# Altium PCB FMC_SINGLE_LPC_BREAKOUT_REVB.PcbDoc (part 2 of 2)
Units mm, origin at the board's own origin, x right, y up, seen from the top; angles counter-clockwise.
Board outline 78.8 x 69 mm, 2 copper layers (Component Side, Bottom Layer), stack 1.571 mm thick; 17 components, 160 nets, 820 pads, 483 vias.
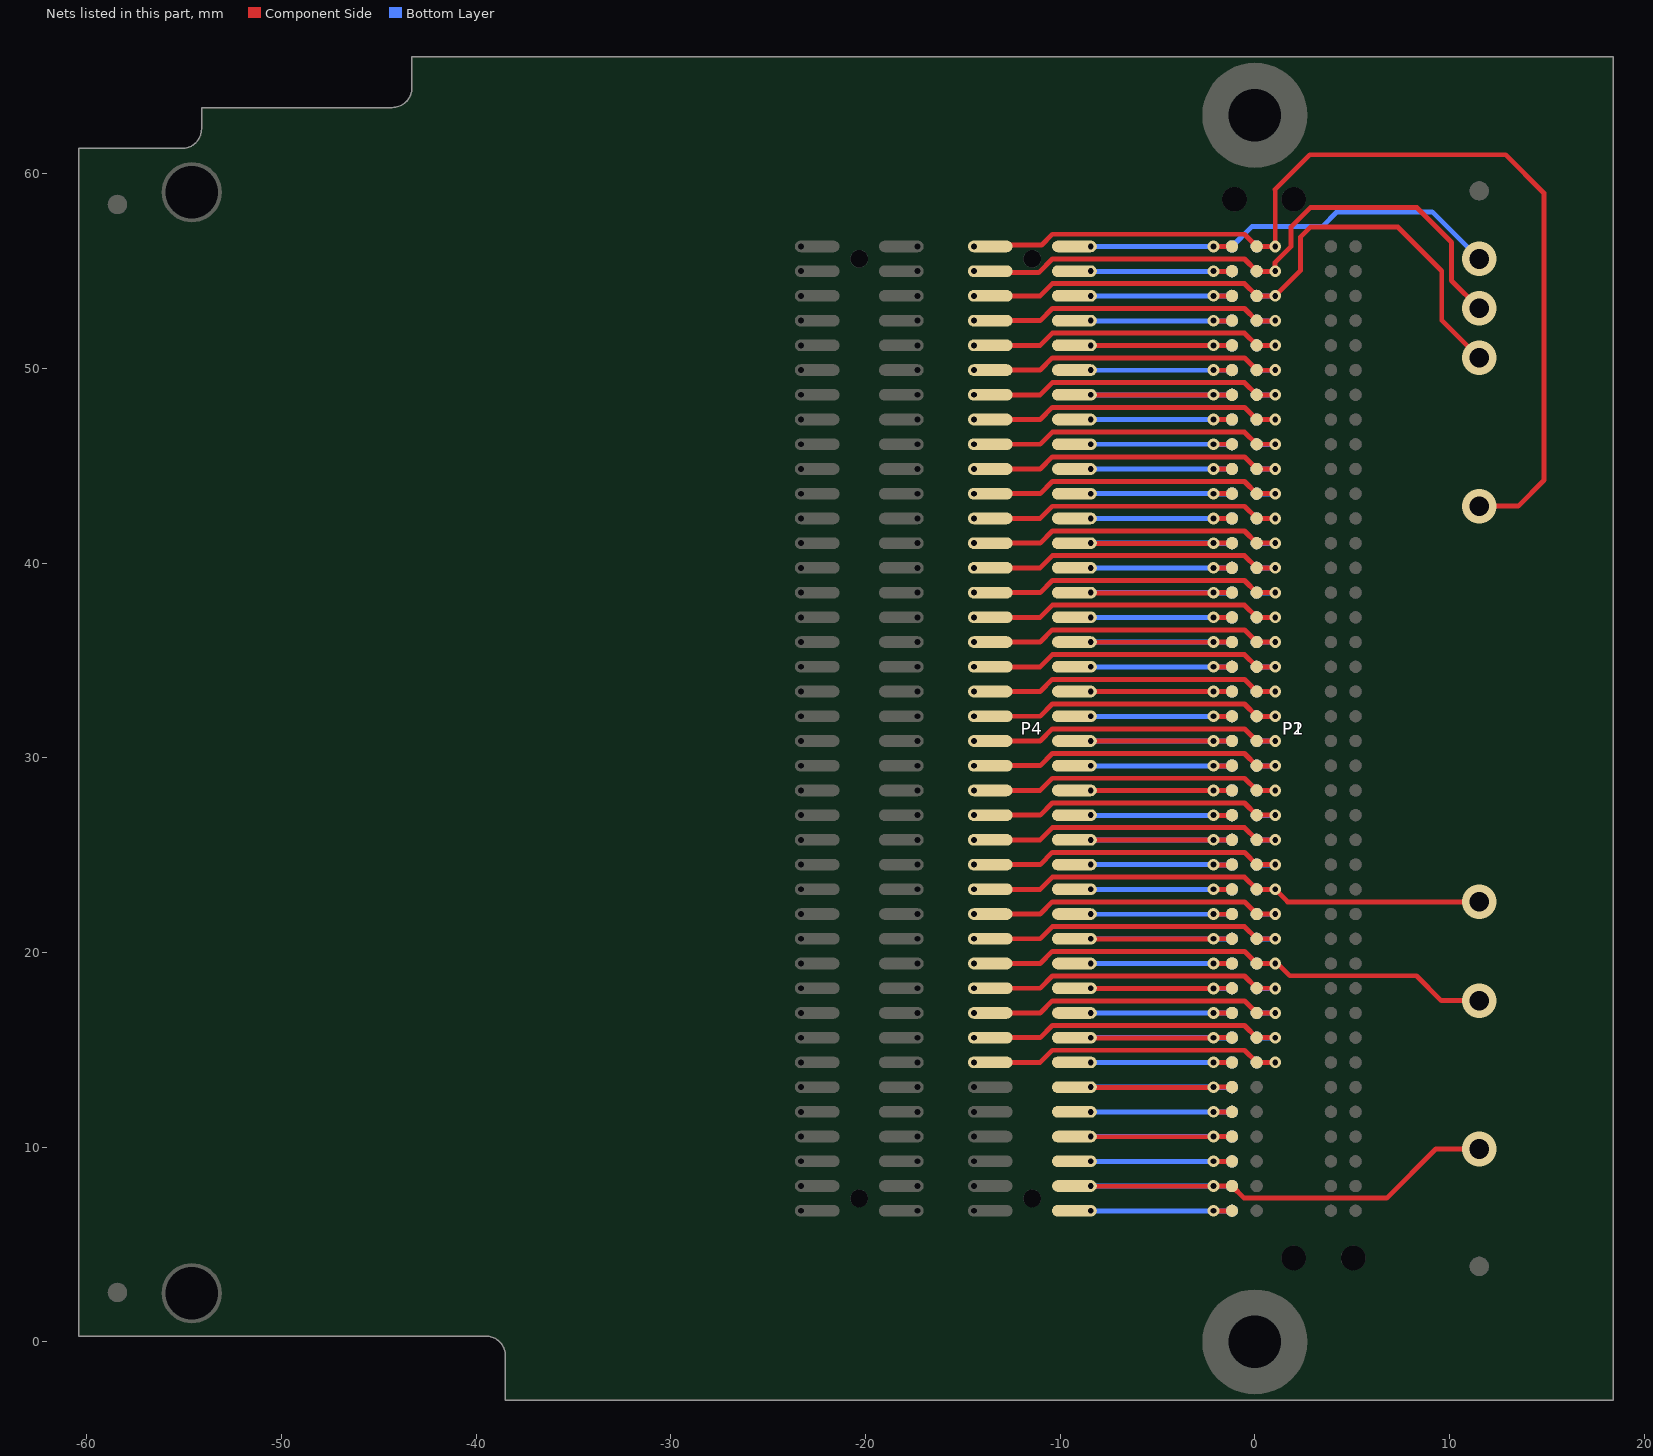
[diagram p2: the nets of this part, all layers, seen from the top]

## Via types
v1: diameter 1.778, hole 1.016, Component Side to Bottom Layer, 323 vias
v2: diameter 0.6, hole 0.3, Component Side to Bottom Layer, tented both sides, 160 vias

## Nets (pads, with @x,y where several pads share a name; then routed paths per layer and width w, separated by ;. In a path a pad name is that pad's centre, name@x,y a point inside that pad or via, vN(x,y) a via of type N, cw(c..) or ccw(c..) an arc to the next point about the centre after c; other vN are vias at no path point) (continued)
G7: P1.G7 P2.G7 P4.13 | length 16.8
  Component Side w0.254: P4.13@-14.43,14.355 -11.03,14.355 -10.405,14.98 -0.53,14.98 P1.G7@0.095,14.355 ; P1.G7@0.105,14.345 v2@1.025,14.345
  Bottom Layer w0.254: P2.G7@0.16,14.345 v2@1.025,14.345
  other v2: 1.047,14.355
G8: P1.G8 P2.G8 P4.15 | length 16.8
  Component Side w0.254: P4.15@-14.43,15.625 -11.03,15.625 -10.405,16.25 -0.53,16.25 P1.G8@0.095,15.625 v2@1.015,15.625
  Bottom Layer w0.254: P2.G8@0.21,15.615 v2@1.025,15.615
  other v2: 1.047,15.625
G9: P1.G9 P2.G9 P4.17 | length 16.9
  Component Side w0.254: P4.17@-14.43,16.895 -11.03,16.895 -10.405,17.52 -0.53,17.52 P1.G9@0.095,16.895 ; P1.G9@0.105,16.885 v2@1.025,16.885
  Bottom Layer w0.254: P2.G9@0.07,16.885 v2@1.025,16.885
  other v2: 1.047,16.895
G10: P1.G10 P2.G10 P4.19 | length 16.8
  Component Side w0.254: P4.19@-14.43,18.165 -11.03,18.165 -10.405,18.79 -0.53,18.79 P1.G10@0.095,18.165 v2@1.015,18.165
  Bottom Layer w0.254: P2.G10@0.2,18.155 v2@1.025,18.155
  other v2: 1.047,18.155
G11: P1.G11 P2.G11 P4.21 | length 28.2
  Component Side w0.254: P4.21@-14.43,19.435 -11.03,19.435 -10.405,20.06 -0.53,20.06 P1.G11@0.095,19.435 ; P1.G11@0.105,19.425 1.025,19.425 1.18,19.425 1.8,18.805 8.3,18.805 9.58,17.525 v1(11.525,17.525)
  Bottom Layer w0.254: P2.G11@0.07,19.425 v2@1.025,19.425
  other v2: 1.047,19.435
G12: P1.G12 P2.G12 P4.23 | length 16.9
  Component Side w0.254: P4.23@-14.43,20.705 -11.03,20.705 -10.405,21.33 -0.53,21.33 P1.G12@0.095,20.705 v2@1.015,20.705
  Bottom Layer w0.254: P2.G12@0.06,20.695 v2@1.025,20.695
  other v2: 1.047,20.705
G13: P1.G13 P2.G13 P4.25 | length 17
  Component Side w0.254: P4.25@-14.43,21.975 -11.03,21.975 -10.405,22.6 -0.53,22.6 P1.G13@0.095,21.975 v2@1.015,21.975
  Bottom Layer w0.254: P2.G13@0.01,21.965 v2@1.025,21.965
  other v2: 1.047,21.975
G14: P1.G14 P2.G14 P4.27 | length 27.7
  Component Side w0.254: P4.27@-14.43,23.245 -11.03,23.245 -10.405,23.87 -0.53,23.87 P1.G14@0.095,23.245 ; P1.G14@0.105,23.235 v2@1.025,23.235 ; v2(1.047,23.245) 1.687,22.605 v1(11.525,22.605)
  Bottom Layer w0.254: P2.G14@0.055,23.235 v2@1.025,23.235
G15: P1.G15 P2.G15 P4.29 | length 16.9
  Component Side w0.254: P4.29@-14.43,24.515 -11.03,24.515 -10.405,25.14 -0.53,25.14 P1.G15@0.095,24.515 v2@1.015,24.515
  Bottom Layer w0.254: P2.G15@0.125,24.505 v2@1.025,24.505
  other v2: 1.047,24.515
G16: P1.G16 P2.G16 P4.31 | length 16.9
  Component Side w0.254: P4.31@-14.43,25.785 -11.03,25.785 -10.405,26.41 -0.53,26.41 P1.G16@0.095,25.785 ; P1.G16@0.105,25.775 v2@1.025,25.775
  Bottom Layer w0.254: P2.G16@0.12,25.775 v2@1.025,25.775
  other v2: 1.047,25.785
G17: P1.G17 P2.G17 P4.33 | length 16.8
  Component Side w0.254: P4.33@-14.43,27.055 -11.03,27.055 -10.405,27.68 -0.53,27.68 P1.G17@0.095,27.055 v2@1.015,27.055
  Bottom Layer w0.254: P2.G17@0.16,27.045 v2@1.025,27.045
  other v2: 1.047,27.055
G18: P1.G18 P2.G18 P4.35 | length 16.9
  Component Side w0.254: P4.35@-14.43,28.325 -11.03,28.325 -10.405,28.95 -0.53,28.95 P1.G18@0.095,28.325 v2@1.015,28.325
  Bottom Layer w0.254: P2.G18@0.065,28.315 v2@1.025,28.315
  other v2: 1.047,28.325
G19: P1.G19 P2.G19 P4.37 | length 16.9
  Component Side w0.254: P4.37@-14.43,29.595 -11.03,29.595 -10.405,30.22 -0.53,30.22 P1.G19@0.095,29.595 ; P1.G19@0.105,29.585 v2@1.025,29.585
  Bottom Layer w0.254: P2.G19@0.13,29.585 v2@1.025,29.585
  other v2: 1.047,29.595
G20: P1.G20 P2.G20 P4.39 | length 16.8
  Component Side w0.254: P4.39@-14.43,30.865 -11.03,30.865 -10.405,31.49 -0.53,31.49 P1.G20@0.095,30.865 v2@1.015,30.865
  Bottom Layer w0.254: P2.G20@0.225,30.855 v2@1.025,30.855
  other v2: 1.047,30.865
G21: P1.G21 P2.G21 P4.41 | length 16.9
  Component Side w0.254: P4.41@-14.43,32.135 -11.03,32.135 -10.405,32.76 -0.53,32.76 P1.G21@0.095,32.135 ; P1.G21@0.105,32.125 v2@1.025,32.125
  Bottom Layer w0.254: P2.G21@0.12,32.125 v2@1.025,32.125
  other v2: 1.047,32.135
G22: P1.G22 P2.G22 P4.43 | length 16.9
  Component Side w0.254: P4.43@-14.43,33.405 -11.03,33.405 -10.405,34.03 -0.53,34.03 P1.G22@0.095,33.405 v2@1.015,33.405
  Bottom Layer w0.254: P2.G22@0.06,33.395 v2@1.025,33.395
  other v2: 1.047,33.405
G23: P1.G23 P2.G23 P4.45 | length 16.9
  Component Side w0.254: P4.45@-14.43,34.675 -11.03,34.675 -10.405,35.3 -0.53,35.3 P1.G23@0.095,34.675 ; P1.G23@0.105,34.665 v2@1.025,34.665
  Bottom Layer w0.254: P2.G23@0.115,34.665 v2@1.025,34.665
  other v2: 1.047,34.675
G24: P1.G24 P2.G24 P4.47 | length 16.9
  Component Side w0.254: P4.47@-14.43,35.945 -11.03,35.945 -10.405,36.57 -0.53,36.57 P1.G24@0.095,35.945 v2@1.015,35.945
  Bottom Layer w0.254: P2.G24@0.07,35.935 v2@1.025,35.935
  other v2: 1.047,35.945
G25: P1.G25 P2.G25 P4.49 | length 16.9
  Component Side w0.254: P4.49@-14.43,37.215 -11.03,37.215 -10.405,37.84 -0.53,37.84 P1.G25@0.095,37.215 ; P1.G25@0.105,37.205 v2@1.025,37.205
  Bottom Layer w0.254: P2.G25@0.1,37.205 v2@1.025,37.205
  other v2: 1.047,37.215
G26: P1.G26 P2.G26 P4.51 | length 16.9
  Component Side w0.254: P4.51@-14.43,38.485 -11.03,38.485 -10.405,39.11 -0.53,39.11 P1.G26@0.095,38.485 v2@1.015,38.485
  Bottom Layer w0.254: P2.G26@0.13,38.475 v2@1.025,38.475
  other v2: 1.047,38.485
G27: P1.G27 P2.G27 P4.53 | length 16.8
  Component Side w0.254: P4.53@-14.43,39.755 -11.03,39.755 -10.405,40.38 -0.53,40.38 P1.G27@0.095,39.755 ; P1.G27@0.105,39.745 v2@1.025,39.745
  Bottom Layer w0.254: P2.G27@0.165,39.745 v2@1.025,39.745
  other v2: 1.047,39.755
G28: P1.G28 P2.G28 P4.55 | length 16.8
  Component Side w0.254: P4.55@-14.43,41.025 -11.03,41.025 -10.405,41.65 -0.53,41.65 P1.G28@0.095,41.025 v2@1.015,41.025
  Bottom Layer w0.254: P2.G28@0.16,41.015 v2@1.025,41.015
  other v2: 1.047,41.025
G29: P1.G29 P2.G29 P4.57 | length 16.8
  Component Side w0.254: P4.57@-14.43,42.295 -11.03,42.295 -10.405,42.92 -0.53,42.92 P1.G29@0.095,42.295 v2@1.015,42.295
  Bottom Layer w0.254: P2.G29@0.155,42.285 v2@1.025,42.285
  other v2: 1.047,42.295
G30: P1.G30 P2.G30 P4.59 | length 16.9
  Component Side w0.254: P4.59@-14.43,43.565 -11.03,43.565 -10.405,44.19 -0.53,44.19 P1.G30@0.095,43.565 v2@1.015,43.565
  Bottom Layer w0.254: P2.G30@0.075,43.555 v2@1.025,43.555
  other v2: 1.047,43.565
G31: P1.G31 P2.G31 P4.61 | length 16.9
  Component Side w0.254: P4.61@-14.43,44.835 -11.03,44.835 -10.405,45.46 -0.53,45.46 P1.G31@0.095,44.835 ; P1.G31@0.105,44.825 v2@1.025,44.825
  Bottom Layer w0.254: P2.G31@0.055,44.825 v2@1.025,44.825
  other v2: 1.047,44.835
G32: P1.G32 P2.G32 P4.63 | length 16.9
  Component Side w0.254: P4.63@-14.43,46.105 -11.03,46.105 -10.405,46.73 -0.53,46.73 P1.G32@0.095,46.105 v2@1.015,46.105
  Bottom Layer w0.254: P2.G32@0.09,46.095 v2@1.025,46.095
  other v2: 1.047,46.105
G33: P1.G33 P2.G33 P4.65 | length 16.9
  Component Side w0.254: P4.65@-14.43,47.375 -11.03,47.375 -10.405,48 -0.53,48 P1.G33@0.095,47.375 ; P1.G33@0.105,47.365 v2@1.025,47.365
  Bottom Layer w0.254: P2.G33@0.06,47.365 v2@1.025,47.365
  other v2: 1.047,47.375
G34: P1.G34 P2.G34 P4.67 | length 16.9
  Component Side w0.254: P4.67@-14.43,48.645 -11.03,48.645 -10.405,49.27 -0.53,49.27 P1.G34@0.095,48.645 v2@1.015,48.645
  Bottom Layer w0.254: P2.G34@0.095,48.635 v2@1.025,48.635
  other v2: 1.047,48.645
G35: P1.G35 P2.G35 P4.69 | length 16.9
  Component Side w0.254: P4.69@-14.43,49.915 -11.03,49.915 -10.405,50.54 -0.53,50.54 P1.G35@0.095,49.915 ; P1.G35@0.105,49.905 v2@1.025,49.905
  Bottom Layer w0.254: P2.G35@0.1,49.905 v2@1.025,49.905
  other v2: 1.047,49.915
G36: P1.G36 P2.G36 P4.71 | length 16.9
  Component Side w0.254: P4.71@-14.43,51.185 -11.03,51.185 -10.405,51.81 -0.53,51.81 P1.G36@0.095,51.185 v2@1.015,51.185
  Bottom Layer w0.254: P2.G36@0.055,51.175 v2@1.025,51.175
  other v2: 1.047,51.185
G37: P1.G37 P2.G37 P4.73 | length 16.9
  Component Side w0.254: P4.73@-14.43,52.455 -11.03,52.455 -10.405,53.08 -0.53,53.08 P1.G37@0.095,52.455 ; P1.G37@0.105,52.445 v2@1.025,52.445
  Bottom Layer w0.254: P2.G37@0.135,52.445 v2@1.025,52.445
  other v2: 1.047,52.455
G38: P1.G38 P2.G38 P4.75 | length 34.1
  Component Side w0.254: P4.75@-14.43,53.725 -11.03,53.725 -10.405,54.35 -0.53,54.35 P1.G38@0.095,53.725 v2@1.015,53.725 ; v2@1.025,53.715 2.35,55.04 2.35,56.755 2.85,57.255 7.35,57.255 9.6,55.005 9.6,52.47 v1(11.525,50.545)
  Bottom Layer w0.254: P2.G38@0.14,53.715 v2@1.025,53.715
  other v2: 1.047,53.725
G39: P1.G39 P2.G39 P4.77 | length 32.9
  Component Side w0.254: P4.77@-14.43,54.995 -14.43,54.919 -11.106,54.919 -10.405,55.62 -0.53,55.62 P1.G39@0.095,54.995 ; P1.G39@0.105,54.985 1.025,54.985 1.025,55.43 1.85,56.255 1.85,57.255 2.85,58.255 8.325,58.255 10.1,56.48 10.1,54.51 v1(11.525,53.085)
  Bottom Layer w0.254: P2.G39@0.145,54.985 v2@1.025,54.985
  other v2: 1.047,54.995
G40: P1.G40 P2.G40 P4.79 | length 53.9
  Component Side w0.254: P4.79@-14.43,56.265 -14.43,56.341 -10.954,56.341 -10.405,56.89 -0.53,56.89 P1.G40@0.095,56.265 v2@1.015,56.265 ; v2(1.047,56.265) 1.047,59.158 1.025,59.18 2.82,60.975 12.88,60.975 14.85,59.005 14.85,44.255 13.52,42.925 v1(11.525,42.925)
  Bottom Layer w0.254: P2.G40@0.1,56.255 0.11,56.265 v2(1.047,56.265)
H1: P1.H1 P2.H1 P4.2 | length 8.2
  Component Side w0.254: v2@-2.15,6.725 P1.H1@-1.185,6.725
  Bottom Layer w0.254: P4.2@-8.43,6.735 -8.42,6.725 -2.15,6.725 P2.H1@-1.18,6.725
  other v2: -2.128,6.735
H2: P1.H2 P2.H2 P4.4 | length 28.5
  Component Side w0.254: P4.4@-8.42,7.995 v2@-2.15,7.995 ; v2@-2.14,8.005 P1.H2@-1.175,8.005 -0.55,7.38 6.775,7.38 9.3,9.905 v1(11.525,9.905)
  Bottom Layer w0.254: P4.4@-8.43,8.005 -2.16,8.005 -2.15,7.995 P2.H2@-1.21,7.995
  other v2: -2.128,8.005
H3: P1.H3 P2.H3 P4.6 | length 8.2
  Component Side w0.254: v2@-2.15,9.265 P1.H3@-1.185,9.265
  Bottom Layer w0.254: P4.6@-8.43,9.275 -8.42,9.265 -2.15,9.265 P2.H3@-1.24,9.265
  other v2: -2.128,9.275
H4: P1.H4 P2.H4 P4.8 | length 14.4
  Component Side w0.254: P4.8@-8.42,10.535 v2@-2.15,10.535 ; v2@-2.14,10.545 P1.H4@-1.175,10.545
  Bottom Layer w0.254: P4.8@-8.43,10.545 -2.16,10.545 -2.15,10.535 P2.H4@-1.245,10.535
  other v2: -2.128,10.545
H5: P1.H5 P2.H5 P4.10 | length 8.1
  Component Side w0.254: v2@-2.15,11.805 P1.H5@-1.185,11.805
  Bottom Layer w0.254: P4.10@-8.43,11.815 -8.42,11.805 -2.15,11.805 P2.H5@-1.25,11.805
  other v2: -2.128,11.815
H6: P1.H6 P2.H6 P4.12 | length 14.4
  Component Side w0.254: P4.12@-8.42,13.075 v2@-2.15,13.075 ; v2@-2.14,13.085 P1.H6@-1.175,13.085
  Bottom Layer w0.254: P4.12@-8.43,13.085 -2.16,13.085 -2.15,13.075 P2.H6@-1.22,13.075
  other v2: -2.128,13.085
H7: P1.H7 P2.H7 P4.14 | length 8.1
  Component Side w0.254: v2@-2.15,14.345 P1.H7@-1.185,14.345
  Bottom Layer w0.254: P4.14@-8.43,14.355 -8.42,14.345 -2.15,14.345 P2.H7@-1.26,14.345
  other v2: -2.128,14.355
H8: P1.H8 P2.H8 P4.16 | length 14.5
  Component Side w0.254: P4.16@-8.42,15.615 v2@-2.15,15.615 ; v2@-2.14,15.625 P1.H8@-1.175,15.625
  Bottom Layer w0.254: P4.16@-8.43,15.625 -2.16,15.625 -2.15,15.615 P2.H8@-1.19,15.615
  other v2: -2.128,15.625
H9: P1.H9 P2.H9 P4.18 | length 8.2
  Component Side w0.254: v2@-2.15,16.885 P1.H9@-1.185,16.885
  Bottom Layer w0.254: P4.18@-8.43,16.895 -8.42,16.885 -2.15,16.885 P2.H9@-1.155,16.885
  other v2: -2.128,16.895
H10: P1.H10 P2.H10 P4.20 | length 14.5
  Component Side w0.254: P4.20@-8.42,18.155 v2@-2.15,18.155 ; v2@-2.14,18.165 P1.H10@-1.175,18.165
  Bottom Layer w0.254: P4.20@-8.43,18.165 -2.16,18.165 -2.15,18.155 P2.H10@-1.2,18.155
  other v2: -2.128,18.155
H11: P1.H11 P2.H11 P4.22 | length 8.2
  Component Side w0.254: v2@-2.15,19.425 P1.H11@-1.185,19.425
  Bottom Layer w0.254: P4.22@-8.43,19.435 -8.42,19.425 -2.15,19.425 P2.H11@-1.155,19.425
  other v2: -2.128,19.435
H12: P1.H12 P2.H12 P4.24 | length 14.5
  Component Side w0.254: P4.24@-8.42,20.695 v2@-2.15,20.695 ; v2@-2.14,20.705 P1.H12@-1.175,20.705
  Bottom Layer w0.254: P4.24@-8.43,20.705 -2.16,20.705 -2.15,20.695 P2.H12@-1.19,20.695
  other v2: -2.128,20.705
H13: P1.H13 P2.H13 P4.26 | length 8.1
  Component Side w0.254: v2@-2.15,21.965 P1.H13@-1.185,21.965
  Bottom Layer w0.254: P4.26@-8.43,21.975 -8.42,21.965 -2.15,21.965 P2.H13@-1.285,21.965
  other v2: -2.128,21.975
H14: P1.H14 P2.H14 P4.28 | length 8.2
  Component Side w0.254: v2@-2.14,23.245 P1.H14@-1.175,23.245
  Bottom Layer w0.254: P4.28@-8.43,23.245 v2(-2.128,23.245) ; v2@-2.15,23.235 P2.H14@-1.205,23.235
H15: P1.H15 P2.H15 P4.30 | length 8.2
  Component Side w0.254: v2@-2.15,24.505 P1.H15@-1.185,24.505
  Bottom Layer w0.254: P4.30@-8.43,24.515 -2.16,24.515 -2.15,24.505 P2.H15@-1.175,24.505
  other v2: -2.128,24.515
H16: P1.H16 P2.H16 P4.32 | length 14.5
  Component Side w0.254: P4.32@-8.42,25.775 v2@-2.15,25.775 ; v2@-2.14,25.785 P1.H16@-1.175,25.785
  Bottom Layer w0.254: P4.32@-8.43,25.785 -2.16,25.785 -2.15,25.775 P2.H16@-1.195,25.775
  other v2: -2.128,25.785
H17: P1.H17 P2.H17 P4.34 | length 8.3
  Component Side w0.254: v2@-2.15,27.045 P1.H17@-1.185,27.045
  Bottom Layer w0.254: P4.34@-8.43,27.055 -8.42,27.045 -2.15,27.045 P2.H17@-1.135,27.045
  other v2: -2.128,27.055
H18: P1.H18 P2.H18 P4.36 | length 14.5
  Component Side w0.254: P4.36@-8.42,28.315 v2@-2.15,28.315 ; v2@-2.14,28.325 P1.H18@-1.175,28.325
  Bottom Layer w0.254: P4.36@-8.43,28.325 -2.16,28.325 -2.15,28.315 P2.H18@-1.19,28.315
  other v2: -2.128,28.325
H19: P1.H19 P2.H19 P4.38 | length 8.2
  Component Side w0.254: v2@-2.15,29.585 P1.H19@-1.185,29.585
  Bottom Layer w0.254: P4.38@-8.43,29.595 -8.42,29.585 -2.15,29.585 P2.H19@-1.23,29.585
  other v2: -2.128,29.595
H20: P1.H20 P2.H20 P4.40 | length 14.5
  Component Side w0.254: P4.40@-8.42,30.855 v2@-2.15,30.855 ; v2@-2.14,30.865 P1.H20@-1.175,30.865
  Bottom Layer w0.254: P4.40@-8.43,30.865 -2.16,30.865 -2.15,30.855 P2.H20@-1.2,30.855
  other v2: -2.128,30.865
H21: P1.H21 P2.H21 P4.42 | length 8.1
  Component Side w0.254: v2@-2.15,32.125 P1.H21@-1.185,32.125
  Bottom Layer w0.254: P4.42@-8.43,32.135 -8.42,32.125 -2.15,32.125 P2.H21@-1.255,32.125
  other v2: -2.128,32.135
H22: P1.H22 P2.H22 P4.44 | length 14.5
  Component Side w0.254: P4.44@-8.42,33.395 v2@-2.15,33.395 ; v2@-2.14,33.405 P1.H22@-1.175,33.405
  Bottom Layer w0.254: P4.44@-8.43,33.405 -2.16,33.405 -2.15,33.395 P2.H22@-1.21,33.395
  other v2: -2.128,33.405
H23: P1.H23 P2.H23 P4.46 | length 8.2
  Component Side w0.254: v2@-2.15,34.665 P1.H23@-1.185,34.665
  Bottom Layer w0.254: P4.46@-8.43,34.675 -8.42,34.665 -2.15,34.665 P2.H23@-1.215,34.665
  other v2: -2.128,34.675
H24: P1.H24 P2.H24 P4.48 | length 14.4
  Component Side w0.254: P4.48@-8.42,35.935 v2@-2.15,35.935 ; v2@-2.14,35.945 P1.H24@-1.175,35.945
  Bottom Layer w0.254: P4.48@-8.43,35.945 -2.16,35.945 -2.15,35.935 P2.H24@-1.23,35.935
  other v2: -2.128,35.945
H25: P1.H25 P2.H25 P4.50 | length 8.2
  Component Side w0.254: v2@-2.15,37.205 P1.H25@-1.185,37.205
  Bottom Layer w0.254: P4.50@-8.43,37.215 -8.42,37.205 -2.15,37.205 P2.H25@-1.225,37.205
  other v2: -2.128,37.215
H26: P1.H26 P2.H26 P4.52 | length 14.5
  Component Side w0.254: P4.52@-8.42,38.475 v2@-2.15,38.475 ; v2@-2.14,38.485 P1.H26@-1.175,38.485
  Bottom Layer w0.254: P4.52@-8.43,38.485 -2.16,38.485 -2.15,38.475 P2.H26@-1.205,38.475
  other v2: -2.128,38.485
H27: P1.H27 P2.H27 P4.54 | length 8.2
  Component Side w0.254: v2@-2.15,39.745 P1.H27@-1.185,39.745
  Bottom Layer w0.254: P4.54@-8.43,39.755 -8.42,39.745 -2.15,39.745 P2.H27@-1.235,39.745
  other v2: -2.128,39.755
H28: P1.H28 P2.H28 P4.56 | length 14.5
  Component Side w0.254: P4.56@-8.42,41.015 v2@-2.15,41.015 ; v2@-2.14,41.025 P1.H28@-1.175,41.025
  Bottom Layer w0.254: P4.56@-8.43,41.025 -2.16,41.025 -2.15,41.015 P2.H28@-1.19,41.015
  other v2: -2.128,41.025
H29: P1.H29 P2.H29 P4.58 | length 8.3
  Component Side w0.254: v2@-2.15,42.285 P1.H29@-1.185,42.285
  Bottom Layer w0.254: P4.58@-8.43,42.295 -8.42,42.285 -2.15,42.285 P2.H29@-1.13,42.285
  other v2: -2.128,42.295
H30: P1.H30 P2.H30 P4.60 | length 8.3
  Component Side w0.254: v2@-2.14,43.565 P1.H30@-1.175,43.565
  Bottom Layer w0.254: P4.60@-8.43,43.565 -2.16,43.565 -2.15,43.555 P2.H30@-1.125,43.555
  other v2: -2.128,43.565
H31: P1.H31 P2.H31 P4.62 | length 8.3
  Component Side w0.254: v2@-2.15,44.825 P1.H31@-1.185,44.825
  Bottom Layer w0.254: P4.62@-8.43,44.835 -8.42,44.825 -2.15,44.825 P2.H31@-1.13,44.825
  other v2: -2.128,44.835
H32: P1.H32 P2.H32 P4.64 | length 8.2
  Component Side w0.254: v2@-2.14,46.105 P1.H32@-1.175,46.105
  Bottom Layer w0.254: P4.64@-8.43,46.105 -2.16,46.105 -2.15,46.095 P2.H32@-1.185,46.095
  other v2: -2.128,46.105
H33: P1.H33 P2.H33 P4.66 | length 8.2
  Component Side w0.254: v2@-2.15,47.365 P1.H33@-1.185,47.365
  Bottom Layer w0.254: P4.66@-8.43,47.375 -8.42,47.365 -2.15,47.365 P2.H33@-1.19,47.365
  other v2: -2.128,47.375
H34: P1.H34 P2.H34 P4.68 | length 14.5
  Component Side w0.254: P4.68@-8.42,48.635 v2@-2.15,48.635 ; v2@-2.14,48.645 P1.H34@-1.175,48.645
  Bottom Layer w0.254: P4.68@-8.43,48.645 -2.16,48.645 -2.15,48.635 P2.H34@-1.195,48.635
  other v2: -2.128,48.645
H35: P1.H35 P2.H35 P4.70 | length 8.2
  Component Side w0.254: v2@-2.15,49.905 P1.H35@-1.185,49.905
  Bottom Layer w0.254: P4.70@-8.43,49.915 -8.42,49.905 -2.15,49.905 P2.H35@-1.175,49.905
  other v2: -2.128,49.915
H36: P1.H36 P2.H36 P4.72 | length 14.5
  Component Side w0.254: P4.72@-8.42,51.175 v2@-2.15,51.175 ; v2@-2.14,51.185 P1.H36@-1.175,51.185
  Bottom Layer w0.254: P4.72@-8.43,51.185 -2.16,51.185 -2.15,51.175 P2.H36@-1.13,51.175
  other v2: -2.128,51.185
H37: P1.H37 P2.H37 P4.74 | length 8.2
  Component Side w0.254: v2@-2.15,52.445 -1.185,52.445 P1.H37@-1.175,52.455
  Bottom Layer w0.254: P4.74@-8.43,52.455 -8.42,52.445 -2.15,52.445 P2.H37@-1.21,52.445
  other v2: -2.128,52.455
H38: P1.H38 P2.H38 P4.76 | length 8.3
  Component Side w0.254: v2@-2.15,53.715 -1.185,53.715 P1.H38@-1.175,53.725
  Bottom Layer w0.254: P4.76@-8.43,53.725 -2.16,53.725 -2.15,53.715 P2.H38@-1.135,53.715
  other v2: -2.128,53.725
H39: P1.H39 P2.H39 P4.78 | length 8.2
  Component Side w0.254: v2@-2.15,54.985 P1.H39@-1.185,54.985
  Bottom Layer w0.254: P4.78@-8.43,54.995 -8.42,54.985 -2.15,54.985 P2.H39@-1.18,54.985
  other v2: -2.128,54.995
H40: P1.H40 P2.H40 P4.80 | length 22.7
  Component Side w0.254: v2@-2.14,56.265 P1.H40@-1.175,56.265
  Bottom Layer w0.254: P4.80@-8.43,56.265 v2@-2.16,56.265 ; v2@-2.15,56.255 P2.H40@-1.15,56.255 ; P2.H40@-1.175,56.265 -0.159,57.281 3.46,57.281 4.222,58.043 9.107,58.043 v1(11.525,55.625)
  other v2: -2.128,56.265
pads on no net: FM1.FD0 FM2.FD0 FM3.FD0 FM4.FD0 FM5.FD0 FM6.FD0 FM7.FD0 FM8.FD0 MH1.0 MH2.0 MH3.0 MH4.0 P1.MH1 P1.MH2 P2.MH1 P2.MH2 P3.81 P3.82 P3.83 P3.84 P3.85 P3.86 P3.87 P3.88 P3.89 P3.90 P3.91 P3.92 P3.93 P3.94 P3.95 P3.96 P3.97 P3.98 P3.99 P3.100 P3.101 P3.102 P3.103 P3.104 P3.105 P3.106 P3.107 P3.108 P3.109 P3.110 P3.111 P3.112 P3.113 P3.114 P3.115 P3.116 P3.117 P3.118 P3.119 P3.120 P3.121 P3.122 P3.123 P3.124 P3.125 P3.126 P3.127 P3.128 P3.129 P3.130 P3.131 P3.132 P3.133 P3.134 P3.135 P3.136 P3.137 P3.138 P3.139 P3.140 P3.141 P3.142 P3.143 P3.144 P3.145 P3.146 P3.147 P3.148 P3.149 P3.150 P3.151 P3.152 P3.153 P3.154 P3.155 P3.156 P3.157 P3.158 P3.159 P3.160 P3.161 P3.162 P3.164 P3.165 P3.166 P3.167 P3.168 P3.169 P3.170 P3.171 P3.172 P3.173 P3.174 P3.175 P3.176 P3.177 P3.178 P3.179 P3.180 P3.181 P3.182 P3.183 P3.184 P3.185 P3.186 P3.187 P3.188 P3.189 P3.190 P3.191 P3.192 P3.193 P3.194 P3.195 P3.196 P3.197 P3.198 P3.199 P3.200 P3.201 P3.202 P3.203 P3.204 P3.205 P3.206 P3.207 P3.208 P3.209 P3.210 P3.211 P3.212 P3.213 P3.214 P3.215 P3.216 P3.217 P3.218 P3.219 P3.220 P3.221 P3.222 P3.223 P3.224 P3.225 P3.226 P3.227 P3.228 P3.229 P3.230 P3.231 P3.232 P3.233 P3.234 P3.235 P3.236 P3.237 P3.238 P3.239 P3.240 P3.241 P3.242 P3.243 P4.81 P4.82 P4.83 P4.84 P4.85 P4.86 P4.87 P4.88 P4.89 P4.90 P4.91 P4.92 P4.93 P4.94 P4.95 P4.96 P4.97 P4.98 P4.99 P4.100 P4.101 P4.102 P4.103 P4.104 P4.105 P4.106 P4.107 P4.108 P4.109 P4.110 P4.111 P4.112 P4.113 P4.114 P4.115 P4.116 P4.117 P4.118 P4.119 P4.120 P4.121 P4.122 P4.123 P4.124 P4.125 P4.126 P4.127 P4.128 P4.129 P4.130 P4.131 P4.132 P4.133 P4.134 P4.135 P4.136 P4.137 P4.138 P4.139 P4.140 P4.141 P4.142 P4.143 P4.144 P4.145 P4.146 P4.147 P4.148 P4.149 P4.150 P4.151 P4.152 P4.153 P4.154 P4.155 P4.156 P4.157 P4.158 P4.159 P4.160 P4.161 P4.162 P4.164 P4.165 P4.166 P4.167 P4.168 P4.169 P4.170 P4.171 P4.172 P4.173 P4.174 P4.175 P4.176 P4.177 P4.178 P4.179 P4.180 P4.181 P4.182 P4.183 P4.184 P4.185 P4.186 P4.187 P4.188 P4.189 P4.190 P4.191 P4.192 P4.193 P4.194 P4.195 P4.196 P4.197 P4.198 P4.199 P4.200 P4.201 P4.202 P4.203 P4.204 P4.205 P4.206 P4.207 P4.208 P4.209 P4.210 P4.211 P4.212 P4.213 P4.214 P4.215 P4.216 P4.217 P4.218 P4.219 P4.220 P4.221 P4.222 P4.223 P4.224 P4.225 P4.226 P4.227 P4.228 P4.229 P4.230 P4.231 P4.232 P4.233 P4.234 P4.235 P4.236 P4.237 P4.238 P4.239 P4.240 P4.241 P4.242 P4.243
copper on no net:
  other v1: -50.8,2.54 -48.26,2.54 -45.72,2.54 -43.18,2.54 -40.64,2.54 -38.1,2.54 -35.56,2.54 -33.02,2.54 -30.48,2.54 -27.94,2.54 -58.42,5.08 -55.88,5.08 -53.34,5.08 -50.8,5.08 -48.26,5.08 -45.72,5.08 -43.18,5.08 -40.64,5.08 -38.1,5.08 -35.56,5.08 -33.02,5.08 -30.48,5.08 -27.94,5.08 -58.42,7.62 -55.88,7.62 -53.34,7.62 -50.8,7.62 -48.26,7.62 -45.72,7.62 -43.18,7.62 -40.64,7.62 -38.1,7.62 -35.56,7.62 -33.02,7.62 -30.48,7.62 -27.94,7.62 -58.42,10.16 -55.88,10.16 -53.34,10.16 -50.8,10.16 -48.26,10.16 -45.72,10.16 -43.18,10.16 -40.64,10.16 -38.1,10.16 -35.56,10.16 -33.02,10.16 -30.48,10.16 -27.94,10.16 -58.42,12.7 -55.88,12.7 -53.34,12.7 -50.8,12.7 -48.26,12.7 -45.72,12.7 -43.18,12.7 -40.64,12.7 -38.1,12.7 -35.56,12.7 -33.02,12.7 -30.48,12.7 -27.94,12.7 -58.42,15.24 -55.88,15.24 -53.34,15.24 -50.8,15.24 -48.26,15.24 -45.72,15.24 -43.18,15.24 -40.64,15.24 -38.1,15.24 -35.56,15.24 -33.02,15.24 -30.48,15.24 -27.94,15.24 -58.42,17.78 -55.88,17.78 -53.34,17.78 -50.8,17.78 -48.26,17.78 -45.72,17.78 -43.18,17.78 -40.64,17.78 -38.1,17.78 -35.56,17.78 -33.02,17.78 -30.48,17.78 -27.94,17.78 -58.42,20.32 -55.88,20.32 -53.34,20.32 -50.8,20.32 -48.26,20.32 -45.72,20.32 -43.18,20.32 -40.64,20.32 -38.1,20.32 -35.56,20.32 -33.02,20.32 -30.48,20.32 -27.94,20.32 -58.42,22.86 -55.88,22.86 -53.34,22.86 -50.8,22.86 -48.26,22.86 -45.72,22.86 -43.18,22.86 -40.64,22.86 -38.1,22.86 -35.56,22.86 -33.02,22.86 -30.48,22.86 -27.94,22.86 -58.42,25.4 -55.88,25.4 -53.34,25.4 -50.8,25.4 -48.26,25.4 -45.72,25.4 -43.18,25.4 -40.64,25.4 -38.1,25.4 -35.56,25.4 -33.02,25.4 -30.48,25.4 -27.94,25.4 -58.42,27.94 -55.88,27.94 -53.34,27.94 -50.8,27.94 -48.26,27.94 -45.72,27.94 -43.18,27.94 -40.64,27.94 -38.1,27.94 -35.56,27.94 -33.02,27.94 -30.48,27.94 -27.94,27.94 -58.42,30.48 -55.88,30.48 -53.34,30.48 -50.8,30.48 -48.26,30.48 -45.72,30.48 -43.18,30.48 -40.64,30.48 -38.1,30.48 -35.56,30.48 -33.02,30.48 -30.48,30.48 -27.94,30.48 -58.42,33.02 -55.88,33.02 -53.34,33.02 -50.8,33.02 -48.26,33.02 -45.72,33.02 -43.18,33.02 -40.64,33.02 -38.1,33.02 -35.56,33.02 -33.02,33.02 -30.48,33.02 -27.94,33.02 -58.42,35.56 -55.88,35.56 -53.34,35.56 -50.8,35.56 -48.26,35.56 -45.72,35.56 -43.18,35.56 -40.64,35.56 -38.1,35.56 -35.56,35.56 -33.02,35.56 -30.48,35.56 -27.94,35.56 -58.42,38.1 -55.88,38.1 -53.34,38.1 -50.8,38.1 -48.26,38.1 -45.72,38.1 -43.18,38.1 -40.64,38.1 -38.1,38.1 -35.56,38.1 -33.02,38.1 -30.48,38.1 -27.94,38.1 -58.42,40.64 -55.88,40.64 -53.34,40.64 -50.8,40.64 -48.26,40.64 -45.72,40.64 -43.18,40.64 -40.64,40.64 -38.1,40.64 -35.56,40.64 -33.02,40.64 -30.48,40.64 -27.94,40.64 -58.42,43.18 -55.88,43.18 -53.34,43.18 -50.8,43.18 -48.26,43.18 -45.72,43.18 -43.18,43.18 -40.64,43.18 -38.1,43.18 -35.56,43.18 -33.02,43.18 -30.48,43.18 -27.94,43.18 -58.42,45.72 -55.88,45.72 -53.34,45.72 -50.8,45.72 -48.26,45.72 -45.72,45.72 -43.18,45.72 -40.64,45.72 -38.1,45.72 -35.56,45.72 -33.02,45.72 -30.48,45.72 -27.94,45.72 -58.42,48.26 -55.88,48.26 -53.34,48.26 -50.8,48.26 -48.26,48.26 -45.72,48.26 -43.18,48.26 -40.64,48.26 -38.1,48.26 -35.56,48.26 -33.02,48.26 -30.48,48.26 -27.94,48.26 -58.42,50.8 -55.88,50.8 -53.34,50.8 -50.8,50.8 -48.26,50.8 -45.72,50.8 -43.18,50.8 -40.64,50.8 -38.1,50.8 -35.56,50.8 -33.02,50.8 -30.48,50.8 -27.94,50.8 -58.42,53.34 -55.88,53.34 -53.34,53.34 -50.8,53.34 -48.26,53.34 -45.72,53.34 -43.18,53.34 -40.64,53.34 -38.1,53.34 -35.56,53.34 -33.02,53.34 -30.48,53.34 -27.94,53.34 -58.42,55.88 -55.88,55.88 -53.34,55.88 -50.8,55.88 -48.26,55.88 -45.72,55.88 -43.18,55.88 -40.64,55.88 -38.1,55.88 -35.56,55.88 -33.02,55.88 -30.48,55.88 -27.94,55.88 -50.8,58.42 -48.26,58.42 -45.72,58.42 -43.18,58.42 -40.64,58.42 -38.1,58.42 -35.56,58.42 -33.02,58.42 -30.48,58.42 -27.94,58.42 -50.8,60.96 -48.26,60.96 -45.72,60.96 -43.18,60.96 -40.64,60.96 -38.1,60.96 -35.56,60.96 -33.02,60.96 -30.48,60.96 -27.94,60.96

## Keep-outs
Keep-Out Layer:
  lines w0.3: -43.3,66 18.4,66 18.4,-3 -38.5,-3 -38.5,-0.7 ccw(c-39.5,-0.7) -39.5,0.3 -60.4,0.3 -60.4,61.3 -55.1,61.3 ccw(c-55.1,62.3) -54.1,62.3 -54.1,63.4 -44.3,63.4 ccw(c-44.3,64.4) -43.3,64.4 -43.3,66 ; -43.3,66 -43.3,66

## Silkscreen, mask and mechanical layers (free items; w line width, h text height)
Top Overlay:
  circle w0.305: c-7.225,6.857 r0.152
  region: -26,-2 -26,1 -6,1 -6,-2
  text "FMC LPC / BREAKOUT" at -25.02,60.475 h3.05
  text "FMCHUB.COM" at -25,58 h3.05
  text "40" at -25.742,56.07 h1
  text "40" at -7.542,56.07 h1
  text "ADJ" at 12.7,55.45 h1.4
  text "39" at -16.7,54.8 h1
  text "H40" at 13.725,54.35 h1.4
  text "38" at -25.742,53.53 h1
  text "38" at -7.542,53.53 h1
  text "ADJ" at 12.7,52.91 h1.4
  text "37" at -16.7,52.26 h1
  text "G39" at 13.725,51.81 h1.4
  text "36" at -25.742,50.99 h1
  text "36" at -7.542,50.99 h1
  text "GND" at 12.7,50.37 h1.4
  text "35" at -16.7,49.72 h1
  text "G38" at 13.725,49.27 h1.4
  text "34" at -25.742,48.45 h1
  text "34" at -7.542,48.45 h1
  text "GND" at 12.7,47.83 h1.4
  text "33" at -16.7,47.18 h1
  text "D39" at 13.725,46.73 h1.4
  text "32" at -25.742,45.91 h1
  text "32" at -7.542,45.91 h1
  text "3V3" at 12.7,45.29 h1.4
  text "31" at -16.7,44.64 h1
  text "C39" at 13.725,44.19 h1.4
  text "30" at -25.742,43.37 h1
  text "30" at -7.542,43.37 h1
  text "GND" at 12.7,42.75 h1.4
  text "29" at -16.7,42.1 h1
  text "G40" at 13.725,41.65 h1.4
  text "28" at -25.742,40.83 h1
  text "28" at -7.542,40.83 h1
  text "12V" at 12.7,40.21 h1.4
  text "27" at -16.7,39.56 h1
  text "C37" at 13.725,39.11 h1.4
  text "26" at -25.742,38.29 h1
  text "26" at -7.542,38.29 h1
  text "GND" at 12.7,37.67 h1.4
  text "25" at -16.7,37.02 h1
  text "D25" at 13.725,36.57 h1.4
  text "24" at -25.742,35.75 h1
  text "24" at -7.542,35.75 h1
  text "12V" at 12.7,35.13 h1.4
  text "23" at -16.7,34.48 h1
  text "C35" at 13.725,34.03 h1.4
  text "22" at -25.742,33.21 h1
  text "22" at -7.542,33.21 h1
  text "GND" at 12.7,32.59 h1.4
  text "21" at -16.7,31.94 h1
  text "C21" at 13.725,31.49 h1.4
  text "20" at -25.742,30.67 h1
  text "20" at -7.542,30.67 h1
  text "3V3" at 12.7,30.05 h1.4
  text "19" at -16.7,29.4 h1
  text "D40" at 13.725,28.95 h1.4
  text "18" at -25.742,28.13 h1
  text "18" at -7.542,28.13 h1
  text "GND" at 12.7,27.51 h1.4
  text "17" at -16.7,26.86 h1
  text "D19" at 13.725,26.41 h1.4
  text "16" at -25.742,25.59 h1
  text "16" at -7.542,25.59 h1
  text "3V3" at 12.7,24.97 h1.4
  text "15" at -16.7,24.32 h1
  text "D38" at 13.725,23.87 h1.4
  text "14" at -25.742,23.05 h1
  text "14" at -7.542,23.05 h1
  text "GND" at 12.7,22.43 h1.4
  text "13" at -16.7,21.78 h1
  text "G14" at 13.725,21.33 h1.4
  text "12" at -25.742,20.51 h1
  text "12" at -7.542,20.51 h1
  text "3V3" at 12.7,19.89 h1.4
  text "11" at -16.7,19.24 h1
  text "D36" at 13.725,18.79 h1.4
  text "10" at -25.742,17.97 h1
  text "10" at -7.542,17.97 h1
  text "GND" at 12.7,17.35 h1.4
  text "9" at -16.382,16.7 h1
  text "G11" at 13.725,16.25 h1.4
  text "8" at -25.742,15.43 h1
  text "8" at -7.542,15.43 h1
  text "AUX" at 12.7,14.81 h1.4
  text "7" at -16.382,14.16 h1
  text "D32" at 13.725,13.71 h1.4
  text "6" at -25.742,12.89 h1
  text "6" at -7.542,12.89 h1
  text "GND" at 12.7,12.27 h1.4
  text "5" at -16.382,11.62 h1
  text "D3" at 13.725,11.17 h1.4
  text "4" at -25.742,10.35 h1
  text "4" at -7.542,10.35 h1
  text "PRS" at 12.7,9.73 h1.4
  text "3" at -16.382,9.08 h1
  text "H2" at 13.725,8.63 h1.4
  text "2" at -25.742,7.81 h1
  text "2" at -7.542,7.81 h1
  text "GND" at 12.7,7.19 h1.4
  text "1" at -16.382,6.54 h1
  text "C1" at 13.725,6.09 h1.4
  text "C" at -23,4 h1.52
  text "D" at -18.555,4 h1.52
  text "G" at -14.11,4 h1.52
  text "H" at -9.665,4 h1.52
  text "T0003 REV B 2018" at -26,1.5 h1.7
Bottom Overlay:
  circle w0.305: c-7.125,6.857 r0.152
  circle w0.305: c-24.425,6.757 r0.152
  text "www.iamelectronic.com" at -8.92,57.475 h1.53
  text "40" at -24.055,56.07 h1
  text "40" at -5.855,56.07 h1
  text "ADJ" at 15.1,55.45 h1.4
  text "39" at -15.011,54.736 h1
  text "H40" at 16.125,54.35 h1.4
  text "38" at -24.055,53.53 h1
  text "38" at -5.855,53.53 h1
  text "ADJ" at 15.1,52.91 h1.4
  text "37" at -15.011,52.196 h1
  text "G39" at 16.125,51.81 h1.4
  text "36" at -24.055,50.99 h1
  text "36" at -5.855,50.99 h1
  text "GND" at 15.1,50.37 h1.4
  text "35" at -15.011,49.656 h1
  text "G38" at 16.125,49.27 h1.4
  text "34" at -24.055,48.45 h1
  text "34" at -5.855,48.45 h1
  text "GND" at 15.1,47.83 h1.4
  text "33" at -15.011,47.116 h1
  text "D39" at 16.125,46.73 h1.4
  text "32" at -24.055,45.91 h1
  text "32" at -5.855,45.91 h1
  text "3V3" at 15.1,45.29 h1.4
  text "31" at -15.011,44.576 h1
  text "C39" at 16.125,44.19 h1.4
  text "30" at -24.055,43.37 h1
  text "30" at -5.855,43.37 h1
  text "GND" at 15.1,42.75 h1.4
  text "29" at -15.011,42.036 h1
  text "G40" at 16.125,41.65 h1.4
  text "28" at -24.055,40.83 h1
  text "28" at -5.855,40.83 h1
  text "12V" at 15.1,40.21 h1.4
  text "27" at -15.011,39.496 h1
  text "C37" at 16.125,39.11 h1.4
  text "26" at -24.055,38.29 h1
  text "26" at -5.855,38.29 h1
  text "GND" at 15.1,37.67 h1.4
  text "25" at -15.011,36.956 h1
  text "D25" at 16.125,36.57 h1.4
  text "24" at -24.055,35.75 h1
  text "24" at -5.855,35.75 h1
  text "12V" at 15.1,35.13 h1.4
  text "23" at -15.011,34.416 h1
  text "C35" at 16.125,34.03 h1.4
  text "22" at -24.055,33.21 h1
  text "22" at -5.855,33.21 h1
  text "GND" at 15.1,32.59 h1.4
  text "21" at -15.011,31.876 h1
  text "C21" at 16.125,31.49 h1.4
  text "20" at -24.055,30.67 h1
  text "20" at -5.855,30.67 h1
  text "3V3" at 15.1,30.05 h1.4
  text "19" at -15.011,29.336 h1
  text "D40" at 16.125,28.95 h1.4
  text "18" at -24.055,28.13 h1
  text "18" at -5.855,28.13 h1
  text "GND" at 15.1,27.51 h1.4
  text "17" at -15.011,26.796 h1
  text "D19" at 16.125,26.41 h1.4
  text "16" at -24.055,25.59 h1
  text "16" at -5.855,25.59 h1
  text "3V3" at 15.1,24.97 h1.4
  text "15" at -15.011,24.256 h1
  text "D38" at 16.125,23.87 h1.4
  text "14" at -24.055,23.05 h1
  text "14" at -5.855,23.05 h1
  text "GND" at 15.1,22.43 h1.4
  text "13" at -15.011,21.716 h1
  text "G14" at 16.125,21.33 h1.4
  text "12" at -24.055,20.51 h1
  text "12" at -5.855,20.51 h1
  text "3V3" at 15.1,19.89 h1.4
  text "11" at -15.011,19.176 h1
  text "D36" at 16.125,18.79 h1.4
  text "10" at -24.055,17.97 h1
  text "10" at -5.855,17.97 h1
  text "GND" at 15.1,17.35 h1.4
  text "9" at -15.519,16.636 h1
  text "G11" at 16.125,16.25 h1.4
  text "8" at -6.807,15.43 h1
  text "8" at -24.107,15.33 h1
  text "AUX" at 15.1,14.81 h1.4
  text "7" at -15.519,14.096 h1
  text "D32" at 16.125,13.71 h1.4
  text "6" at -6.807,12.89 h1
  text "6" at -24.107,12.79 h1
  text "GND" at 15.1,12.27 h1.4
  text "5" at -15.519,11.556 h1
  text "D3" at 16.125,11.17 h1.4
  text "4" at -6.807,10.35 h1
  text "4" at -24.107,10.25 h1
  text "PRS" at 15.1,9.73 h1.4
  text "3" at -15.519,9.016 h1
  text "H2" at 16.125,8.63 h1.4
  text "2" at -6.807,7.81 h1
  text "2" at -24.107,7.71 h1
  text "GND" at 15.1,7.19 h1.4
  text "1" at -15.519,6.476 h1
  text "C1" at 16.125,6.09 h1.4
  text "C" at -21.73,4 h1.52
  text "D" at -17.285,4 h1.52
  text "G" at -12.84,4 h1.52
  text "H" at -8.395,4 h1.52
  text "FMCHUB.COM" at -6.5,0.5 h3.05
Mechanical 2:
  drawing of 191 lines, arcs and shapes, not listed
  text "FMCHUB.COM" at -51.125,29.325 h7
  text "FMC single width / ------------------- / [x] Low-pin count / [ ] High-pin count / ------------------- / [ ] Region 1 / [x] Region 2 / [x] Region 3 / ------------------- / [x] Commercial grade / [ ] Ruggedized / ------------------- / [x] Air cooled / [ ] Conduction cooled /       [ ] Primary thermal interface /       [ ] Secondary thermal interface" at 25,25.875 h1.52
  text "Layer" at 24.863,21.994 h1.52
  text "Name" at 35.275,21.994 h1.52
  text "Material" at 59.144,21.994 h1.52
  text "Thickness" at 80.983,21.994 h1.52
  text "Constant" at 97.488,21.994 h1.52
  text "Board Layer Stack" at 111.963,21.994 h1.52
  text "1" at 24.863,18.946 h1.52
  text "Top Overlay" at 35.275,18.946 h1.52
  text "2" at 24.863,15.898 h1.52
  text "Top Solder" at 35.275,15.898 h1.52
  text "Solder Resist" at 59.144,15.898 h1.52
  text "0,010mm" at 80.983,15.898 h1.52
  text "3,5" at 97.488,15.898 h1.52
  text "3" at 24.863,12.85 h1.52
  text "Component Side" at 35.275,12.85 h1.52
  text "Copper" at 59.144,12.85 h1.52
  text "0,036mm" at 80.983,12.85 h1.52
  text "4" at 24.863,9.802 h1.52
  text "Dielectric 1" at 35.275,9.802 h1.52
  text "FR-4" at 59.144,9.802 h1.52
  text "1,500mm" at 80.983,9.802 h1.52
  text "4,2" at 97.488,9.802 h1.52
  text "5" at 24.863,6.754 h1.52
  text "Bottom Layer" at 35.275,6.754 h1.52
  text "Copper" at 59.144,6.754 h1.52
  text "0,036mm" at 80.983,6.754 h1.52
  text "6" at 24.863,3.706 h1.52
  text "Solder Side" at 35.275,3.706 h1.52
  text "Solder Resist" at 59.144,3.706 h1.52
  text "0,010mm" at 80.983,3.706 h1.52
  text "3,5" at 97.488,3.706 h1.52
  text "7" at 24.863,0.658 h1.52
  text "Bottom Overlay" at 35.275,0.658 h1.52
  text "FMC LPC breakout / single width / commercial grade" at 23.525,-23.125 h7
Mechanical 14:
  circle w0.254: c0,63 r1.35
  circle w0.254: c-54.6,59.05 r1.35
  circle w0.254: c0,0 r1.35
  circle w0.254: c-54.6,2.5 r1.35
  lines w0.3: -43.3,66 18.4,66 18.4,-3 -38.5,-3 -38.5,-0.7 ccw(c-39.5,-0.7) -39.5,0.3 -60.4,0.3 -60.4,61.3 -55.1,61.3 ccw(c-55.1,62.3) -54.1,62.3 -54.1,63.4 -44.3,63.4 ccw(c-44.3,64.4) -43.3,64.4 -43.3,66 ; -43.3,66 -43.3,66
  text "All dimensions are in mm." at -17.6,71.575 h1.52
  text "FMCHUB.COM" at -52.62,27.875 h10.16
  text "2.7mm" at -54.62,4.575 h1.27
  text "2.7mm" at -8.82,-0.025 h1.27
Drill Drawing:
  circle w0.254: c-51.045,-16.568 r0.857
  lines w0.254: -51.901,-32.418 -51.473,-32.418 -51.473,-32.846 -50.616,-32.846 -50.616,-32.418 -50.188,-32.418 -50.188,-31.561 -50.616,-31.561 -50.616,-31.133 -51.473,-31.133 -51.473,-31.561 -51.901,-31.561 -51.901,-32.418 ; -51.901,-28.991 -50.188,-28.991 -50.188,-27.278 -51.901,-27.278 -51.901,-28.991 ; -51.901,-24.707 -51.473,-24.707 -51.045,-25.136 -50.616,-24.707 -50.188,-24.707 -50.616,-24.279 -50.188,-23.851 -50.616,-23.851 -51.045,-23.422 -51.473,-23.851 -51.901,-23.851 -51.473,-24.279 -51.901,-24.707 ; -51.901,-19.567 -50.188,-19.567 -51.045,-21.28 -51.901,-19.567 ; -51.559,-32.247 -51.302,-32.247 -51.302,-32.504 -50.788,-32.504 -50.788,-32.247 -50.531,-32.247 -50.531,-31.733 -50.788,-31.733 -50.788,-31.476 -51.302,-31.476 -51.302,-31.733 -51.559,-31.733 -51.559,-32.247
  lines w0.381: -53.437,-34.003 20.33,-34.003 ; -53.437,-14.726 20.33,-14.726 ; -39.288,-37.858 -39.288,-10.871 ; -23.877,-37.858 -23.877,-10.871 ; 6.18,-37.858 6.18,-10.871 ; -53.437,-37.858 20.33,-37.858 20.33,-10.871 -53.437,-10.871 -53.437,-37.858
  text "Symbol" at -51.124,-13.57 h1.85
  text "Count" at -38.131,-13.57 h1.85
  text "Hole Size" at -22.72,-13.57 h1.85
  text "Plated" at 7.337,-13.57 h1.85
  text "320" at -38.131,-17.425 h1.54
  text "0,300mm (11,81mil)" at -22.72,-17.425 h1.54
  text "PTH" at 7.337,-17.425 h1.54
  text "4" at -38.131,-21.28 h1.54
  text "0,914mm (36,00mil)" at -22.72,-21.28 h1.54
  text "NPTH" at 7.337,-21.28 h1.54
  text "323" at -38.131,-25.136 h1.54
  text "1,016mm (40,00mil)" at -22.72,-25.136 h1.54
  text "PTH" at 7.337,-25.136 h1.54
  text "4" at -38.131,-28.991 h1.54
  text "1,270mm (50,00mil)" at -22.72,-28.991 h1.54
  text "NPTH" at 7.337,-28.991 h1.54
  text "4" at -38.131,-32.846 h1.54
  text "2,700mm (106,30mil)" at -22.72,-32.846 h1.54
  text "PTH" at 7.337,-32.846 h1.54
  text "655 Total" at -38.131,-36.702 h1.54

## Dimensions
-54.6,2.5 to -60.4,0.3 on Mechanical 14
-38.5,-3 to -60.4,0.3 on Mechanical 14
-60.4,61.3 to -54.1,63.4 on Mechanical 14
-60.4,61.3 to -54.1,63.4 on Mechanical 14
18.4,-3 to 18.4,66 on Mechanical 14
-60.4,61.3 to -60.4,0.3 on Mechanical 14
-60.4,0.3 to -38.5,-3 on Mechanical 14
-38.5,-3 to 18.4,-3 on Mechanical 14
-43.3,66 to -54.1,63.4 on Mechanical 14
-43.3,66 to 18.4,66 on Mechanical 14
0,0 to 18.4,-3 on Mechanical 14
0,0 to 18.4,-3 on Mechanical 14
-54.6,59.05 to -43.3,66 on Mechanical 14
-54.6,2.5 to -60.4,0.3 on Mechanical 14

## Text inside footprints (layer, text, board x,y; h text height)
STR1: Bottom Overlay "I A M" at -8.92,60.975 h5.97; Bottom Overlay "ELECTRONIC" at -8.92,58.725 h2.25